# KiCad board PANEL_DRY_ELEC_6CH_THIN.kicad_pcb (continued)
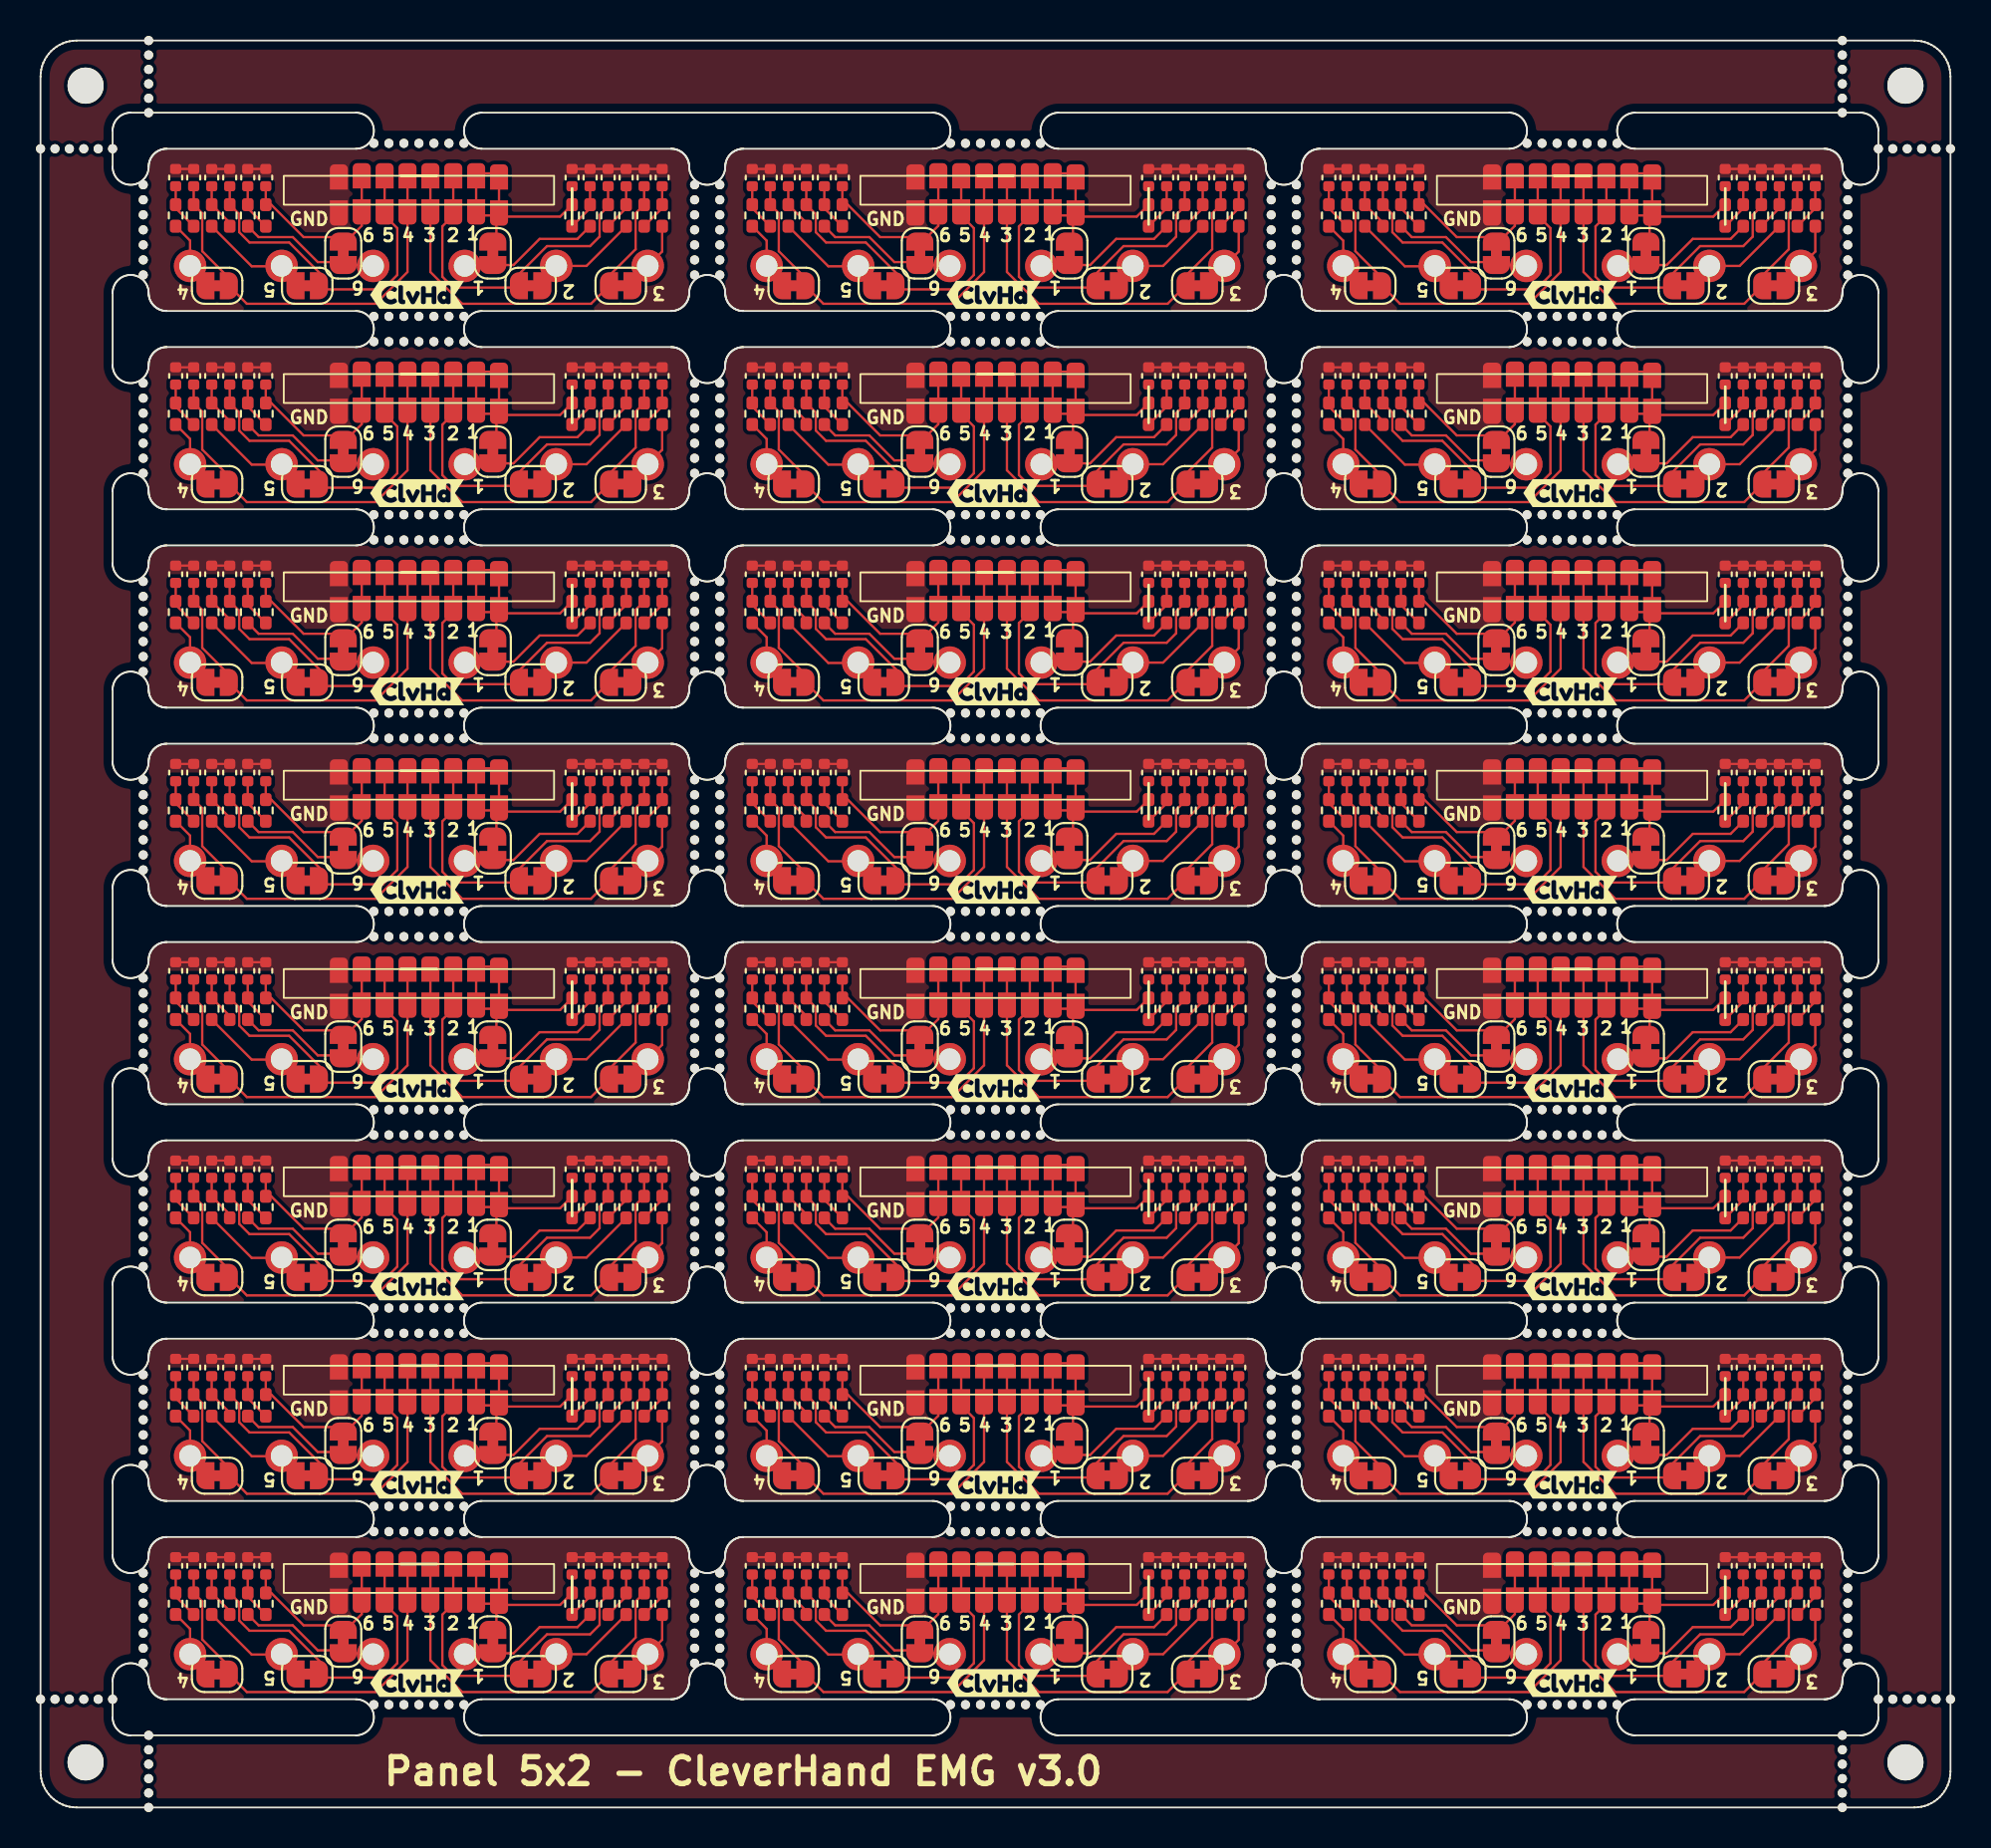
[diagram p0: board, top side]
## Placement (name value [footprint] x y rotation side) (continued)
J3#12  Conn_01x01_Pin  [SolderWirePad_1x01_SMD_1x2mm]  83.1 24.2 0 top
J3#13  Conn_01x01_Pin  [SolderWirePad_1x01_SMD_1x2mm]  51.1 68.2 0 top
J3#14  Conn_01x01_Pin  [SolderWirePad_1x01_SMD_1x2mm]  19.1 35.2 0 top
J3#15  Conn_01x01_Pin  [SolderWirePad_1x01_SMD_1x2mm]  19.1 90.2 0 top
J3#16  Conn_01x01_Pin  [SolderWirePad_1x01_SMD_1x2mm]  51.1 13.2 0 top
J3#17  Conn_01x01_Pin  [SolderWirePad_1x01_SMD_1x2mm]  83.1 57.2 0 top
J3#18  Conn_01x01_Pin  [SolderWirePad_1x01_SMD_1x2mm]  51.1 35.2 0 top
J3#19  Conn_01x01_Pin  [SolderWirePad_1x01_SMD_1x2mm]  83.1 13.2 0 top
J3#20  Conn_01x01_Pin  [SolderWirePad_1x01_SMD_1x2mm]  51.1 79.2 0 top
J3#21  Conn_01x01_Pin  [SolderWirePad_1x01_SMD_1x2mm]  83.1 46.2 0 top
J3#22  Conn_01x01_Pin  [SolderWirePad_1x01_SMD_1x2mm]  51.1 90.2 0 top
J3#23  Conn_01x01_Pin  [SolderWirePad_1x01_SMD_1x2mm]  19.1 57.2 0 top
J3#24  Conn_01x01_Pin  [SolderWirePad_1x01_SMD_1x2mm]  83.1 35.2 0 top
J4  Conn_01x01_Pin  [SolderWirePad_1x01_SMD_1x2mm]  20.37 35.2 0 top
J4#2  Conn_01x01_Pin  [SolderWirePad_1x01_SMD_1x2mm]  52.37 46.2 0 top
J4#3  Conn_01x01_Pin  [SolderWirePad_1x01_SMD_1x2mm]  52.37 35.2 0 top
J4#4  Conn_01x01_Pin  [SolderWirePad_1x01_SMD_1x2mm]  52.37 68.2 0 top
J4#5  Conn_01x01_Pin  [SolderWirePad_1x01_SMD_1x2mm]  20.37 13.2 0 top
J4#6  Conn_01x01_Pin  [SolderWirePad_1x01_SMD_1x2mm]  84.37 57.2 0 top
J4#7  Conn_01x01_Pin  [SolderWirePad_1x01_SMD_1x2mm]  20.37 57.2 0 top
J4#8  Conn_01x01_Pin  [SolderWirePad_1x01_SMD_1x2mm]  84.37 46.2 0 top
J4#9  Conn_01x01_Pin  [SolderWirePad_1x01_SMD_1x2mm]  84.37 68.2 0 top
J4#10  Conn_01x01_Pin  [SolderWirePad_1x01_SMD_1x2mm]  52.37 13.2 0 top
J4#11  Conn_01x01_Pin  [SolderWirePad_1x01_SMD_1x2mm]  20.37 24.2 0 top
J4#12  Conn_01x01_Pin  [SolderWirePad_1x01_SMD_1x2mm]  84.37 79.2 0 top
J4#13  Conn_01x01_Pin  [SolderWirePad_1x01_SMD_1x2mm]  52.37 57.2 0 top
J4#14  Conn_01x01_Pin  [SolderWirePad_1x01_SMD_1x2mm]  84.37 35.2 0 top
J4#15  Conn_01x01_Pin  [SolderWirePad_1x01_SMD_1x2mm]  84.37 13.2 0 top
J4#16  Conn_01x01_Pin  [SolderWirePad_1x01_SMD_1x2mm]  84.37 24.2 0 top
J4#17  Conn_01x01_Pin  [SolderWirePad_1x01_SMD_1x2mm]  52.37 24.2 0 top
J4#18  Conn_01x01_Pin  [SolderWirePad_1x01_SMD_1x2mm]  20.37 79.2 0 top
J4#19  Conn_01x01_Pin  [SolderWirePad_1x01_SMD_1x2mm]  52.37 90.2 0 top
J4#20  Conn_01x01_Pin  [SolderWirePad_1x01_SMD_1x2mm]  52.37 79.2 0 top
J4#21  Conn_01x01_Pin  [SolderWirePad_1x01_SMD_1x2mm]  20.37 46.2 0 top
J4#22  Conn_01x01_Pin  [SolderWirePad_1x01_SMD_1x2mm]  84.37 90.2 0 top
J4#23  Conn_01x01_Pin  [SolderWirePad_1x01_SMD_1x2mm]  20.37 68.2 0 top
J4#24  Conn_01x01_Pin  [SolderWirePad_1x01_SMD_1x2mm]  20.37 90.2 0 top
J5  Conn_01x01_Pin  [SolderWirePad_1x01_SMD_1x2mm]  53.64 13.2 0 top
J5#2  Conn_01x01_Pin  [SolderWirePad_1x01_SMD_1x2mm]  85.64 57.2 0 top
J5#3  Conn_01x01_Pin  [SolderWirePad_1x01_SMD_1x2mm]  85.64 68.2 0 top
J5#4  Conn_01x01_Pin  [SolderWirePad_1x01_SMD_1x2mm]  53.64 24.2 0 top
J5#5  Conn_01x01_Pin  [SolderWirePad_1x01_SMD_1x2mm]  53.64 57.2 0 top
J5#6  Conn_01x01_Pin  [SolderWirePad_1x01_SMD_1x2mm]  21.64 90.2 0 top
J5#7  Conn_01x01_Pin  [SolderWirePad_1x01_SMD_1x2mm]  85.64 35.2 0 top
J5#8  Conn_01x01_Pin  [SolderWirePad_1x01_SMD_1x2mm]  85.64 24.2 0 top
J5#9  Conn_01x01_Pin  [SolderWirePad_1x01_SMD_1x2mm]  21.64 46.2 0 top
J5#10  Conn_01x01_Pin  [SolderWirePad_1x01_SMD_1x2mm]  85.64 90.2 0 top
J5#11  Conn_01x01_Pin  [SolderWirePad_1x01_SMD_1x2mm]  85.64 79.2 0 top
J5#12  Conn_01x01_Pin  [SolderWirePad_1x01_SMD_1x2mm]  53.64 79.2 0 top
J5#13  Conn_01x01_Pin  [SolderWirePad_1x01_SMD_1x2mm]  53.64 35.2 0 top
J5#14  Conn_01x01_Pin  [SolderWirePad_1x01_SMD_1x2mm]  53.64 68.2 0 top
J5#15  Conn_01x01_Pin  [SolderWirePad_1x01_SMD_1x2mm]  21.64 13.2 0 top
J5#16  Conn_01x01_Pin  [SolderWirePad_1x01_SMD_1x2mm]  53.64 90.2 0 top
J5#17  Conn_01x01_Pin  [SolderWirePad_1x01_SMD_1x2mm]  85.64 13.2 0 top
J5#18  Conn_01x01_Pin  [SolderWirePad_1x01_SMD_1x2mm]  21.64 68.2 0 top
J5#19  Conn_01x01_Pin  [SolderWirePad_1x01_SMD_1x2mm]  85.64 46.2 0 top
J5#20  Conn_01x01_Pin  [SolderWirePad_1x01_SMD_1x2mm]  21.64 79.2 0 top
J5#21  Conn_01x01_Pin  [SolderWirePad_1x01_SMD_1x2mm]  21.64 24.2 0 top
J5#22  Conn_01x01_Pin  [SolderWirePad_1x01_SMD_1x2mm]  53.64 46.2 0 top
J5#23  Conn_01x01_Pin  [SolderWirePad_1x01_SMD_1x2mm]  21.64 35.2 0 top
J5#24  Conn_01x01_Pin  [SolderWirePad_1x01_SMD_1x2mm]  21.64 57.2 0 top
J6  Conn_01x01_Pin  [SolderWirePad_1x01_SMD_1x2mm]  54.91 35.2 0 top
J6#2  Conn_01x01_Pin  [SolderWirePad_1x01_SMD_1x2mm]  86.91 68.2 0 top
J6#3  Conn_01x01_Pin  [SolderWirePad_1x01_SMD_1x2mm]  54.91 24.2 0 top
J6#4  Conn_01x01_Pin  [SolderWirePad_1x01_SMD_1x2mm]  22.91 24.2 0 top
J6#5  Conn_01x01_Pin  [SolderWirePad_1x01_SMD_1x2mm]  54.91 57.2 0 top
J6#6  Conn_01x01_Pin  [SolderWirePad_1x01_SMD_1x2mm]  22.91 57.2 0 top
J6#7  Conn_01x01_Pin  [SolderWirePad_1x01_SMD_1x2mm]  22.91 68.2 0 top
J6#8  Conn_01x01_Pin  [SolderWirePad_1x01_SMD_1x2mm]  22.91 35.2 0 top
J6#9  Conn_01x01_Pin  [SolderWirePad_1x01_SMD_1x2mm]  54.91 90.2 0 top
J6#10  Conn_01x01_Pin  [SolderWirePad_1x01_SMD_1x2mm]  22.91 90.2 0 top
J6#11  Conn_01x01_Pin  [SolderWirePad_1x01_SMD_1x2mm]  54.91 46.2 0 top
J6#12  Conn_01x01_Pin  [SolderWirePad_1x01_SMD_1x2mm]  54.91 13.2 0 top
J6#13  Conn_01x01_Pin  [SolderWirePad_1x01_SMD_1x2mm]  86.91 90.2 0 top
J6#14  Conn_01x01_Pin  [SolderWirePad_1x01_SMD_1x2mm]  22.91 79.2 0 top
J6#15  Conn_01x01_Pin  [SolderWirePad_1x01_SMD_1x2mm]  22.91 13.2 0 top
J6#16  Conn_01x01_Pin  [SolderWirePad_1x01_SMD_1x2mm]  86.91 13.2 0 top
J6#17  Conn_01x01_Pin  [SolderWirePad_1x01_SMD_1x2mm]  86.91 24.2 0 top
J6#18  Conn_01x01_Pin  [SolderWirePad_1x01_SMD_1x2mm]  54.91 79.2 0 top
J6#19  Conn_01x01_Pin  [SolderWirePad_1x01_SMD_1x2mm]  22.91 46.2 0 top
J6#20  Conn_01x01_Pin  [SolderWirePad_1x01_SMD_1x2mm]  86.91 57.2 0 top
J6#21  Conn_01x01_Pin  [SolderWirePad_1x01_SMD_1x2mm]  86.91 79.2 0 top
J6#22  Conn_01x01_Pin  [SolderWirePad_1x01_SMD_1x2mm]  86.91 46.2 0 top
J6#23  Conn_01x01_Pin  [SolderWirePad_1x01_SMD_1x2mm]  86.91 35.2 0 top
J6#24  Conn_01x01_Pin  [SolderWirePad_1x01_SMD_1x2mm]  54.91 68.2 0 top
J7  Conn_01x01_Pin  [SolderWirePad_1x01_SMD_1x2mm]  88.18 13.2 0 top
J7#2  Conn_01x01_Pin  [SolderWirePad_1x01_SMD_1x2mm]  24.18 57.2 0 top
J7#3  Conn_01x01_Pin  [SolderWirePad_1x01_SMD_1x2mm]  24.18 46.2 0 top
J7#4  Conn_01x01_Pin  [SolderWirePad_1x01_SMD_1x2mm]  88.18 24.2 0 top
J7#5  Conn_01x01_Pin  [SolderWirePad_1x01_SMD_1x2mm]  88.18 68.2 0 top
J7#6  Conn_01x01_Pin  [SolderWirePad_1x01_SMD_1x2mm]  56.18 13.2 0 top
J7#7  Conn_01x01_Pin  [SolderWirePad_1x01_SMD_1x2mm]  56.18 68.2 0 top
J7#8  Conn_01x01_Pin  [SolderWirePad_1x01_SMD_1x2mm]  56.18 24.2 0 top
J7#9  Conn_01x01_Pin  [SolderWirePad_1x01_SMD_1x2mm]  24.18 13.2 0 top
J7#10  Conn_01x01_Pin  [SolderWirePad_1x01_SMD_1x2mm]  56.18 79.2 0 top
J7#11  Conn_01x01_Pin  [SolderWirePad_1x01_SMD_1x2mm]  88.18 79.2 0 top
J7#12  Conn_01x01_Pin  [SolderWirePad_1x01_SMD_1x2mm]  88.18 46.2 0 top
J7#13  Conn_01x01_Pin  [SolderWirePad_1x01_SMD_1x2mm]  56.18 57.2 0 top
J7#14  Conn_01x01_Pin  [SolderWirePad_1x01_SMD_1x2mm]  56.18 46.2 0 top
J7#15  Conn_01x01_Pin  [SolderWirePad_1x01_SMD_1x2mm]  24.18 24.2 0 top
J7#16  Conn_01x01_Pin  [SolderWirePad_1x01_SMD_1x2mm]  24.18 35.2 0 top
J7#17  Conn_01x01_Pin  [SolderWirePad_1x01_SMD_1x2mm]  56.18 90.2 0 top
J7#18  Conn_01x01_Pin  [SolderWirePad_1x01_SMD_1x2mm]  88.18 57.2 0 top
J7#19  Conn_01x01_Pin  [SolderWirePad_1x01_SMD_1x2mm]  56.18 35.2 0 top
J7#20  Conn_01x01_Pin  [SolderWirePad_1x01_SMD_1x2mm]  88.18 35.2 0 top
J7#21  Conn_01x01_Pin  [SolderWirePad_1x01_SMD_1x2mm]  24.18 79.2 0 top
J7#22  Conn_01x01_Pin  [SolderWirePad_1x01_SMD_1x2mm]  88.18 90.2 0 top
J7#23  Conn_01x01_Pin  [SolderWirePad_1x01_SMD_1x2mm]  24.18 90.2 0 top
J7#24  Conn_01x01_Pin  [SolderWirePad_1x01_SMD_1x2mm]  24.18 68.2 0 top
J8  Conn_01x01_Pin  [SolderWirePad_1x01_SMD_1x2mm]  57.45 90.14 0 top
J8#2  Conn_01x01_Pin  [SolderWirePad_1x01_SMD_1x2mm]  89.45 13.14 0 top
J8#3  Conn_01x01_Pin  [SolderWirePad_1x01_SMD_1x2mm]  57.45 24.14 0 top
J8#4  Conn_01x01_Pin  [SolderWirePad_1x01_SMD_1x2mm]  89.45 46.13 0 top
J8#5  Conn_01x01_Pin  [SolderWirePad_1x01_SMD_1x2mm]  25.45 35.13 0 top
J8#6  Conn_01x01_Pin  [SolderWirePad_1x01_SMD_1x2mm]  25.45 79.14 0 top
J8#7  Conn_01x01_Pin  [SolderWirePad_1x01_SMD_1x2mm]  57.45 79.14 0 top
J8#8  Conn_01x01_Pin  [SolderWirePad_1x01_SMD_1x2mm]  25.45 13.14 0 top
J8#9  Conn_01x01_Pin  [SolderWirePad_1x01_SMD_1x2mm]  57.45 46.13 0 top
J8#10  Conn_01x01_Pin  [SolderWirePad_1x01_SMD_1x2mm]  25.45 24.14 0 top
J8#11  Conn_01x01_Pin  [SolderWirePad_1x01_SMD_1x2mm]  57.45 57.13 0 top
J8#12  Conn_01x01_Pin  [SolderWirePad_1x01_SMD_1x2mm]  89.45 24.14 0 top
J8#13  Conn_01x01_Pin  [SolderWirePad_1x01_SMD_1x2mm]  89.45 90.14 0 top
J8#14  Conn_01x01_Pin  [SolderWirePad_1x01_SMD_1x2mm]  89.45 79.14 0 top
J8#15  Conn_01x01_Pin  [SolderWirePad_1x01_SMD_1x2mm]  25.45 46.13 0 top
J8#16  Conn_01x01_Pin  [SolderWirePad_1x01_SMD_1x2mm]  25.45 57.13 0 top
J8#17  Conn_01x01_Pin  [SolderWirePad_1x01_SMD_1x2mm]  25.45 90.14 0 top
J8#18  Conn_01x01_Pin  [SolderWirePad_1x01_SMD_1x2mm]  89.45 68.14 0 top
J8#19  Conn_01x01_Pin  [SolderWirePad_1x01_SMD_1x2mm]  89.45 57.13 0 top
J8#20  Conn_01x01_Pin  [SolderWirePad_1x01_SMD_1x2mm]  25.45 68.14 0 top
J8#21  Conn_01x01_Pin  [SolderWirePad_1x01_SMD_1x2mm]  57.45 13.14 0 top
J8#22  Conn_01x01_Pin  [SolderWirePad_1x01_SMD_1x2mm]  57.45 68.14 0 top
J8#23  Conn_01x01_Pin  [SolderWirePad_1x01_SMD_1x2mm]  57.45 35.13 0 top
J8#24  Conn_01x01_Pin  [SolderWirePad_1x01_SMD_1x2mm]  89.45 35.13 0 top
J9  Conn_01x01_Pin  [SolderWirePad_1x01_SMD_1x2mm]  16.56 55.73 180 top
J9#2  Conn_01x01_Pin  [SolderWirePad_1x01_SMD_1x2mm]  48.56 44.73 180 top
J9#3  Conn_01x01_Pin  [SolderWirePad_1x01_SMD_1x2mm]  48.56 66.73 180 top
J9#4  Conn_01x01_Pin  [SolderWirePad_1x01_SMD_1x2mm]  80.56 33.73 180 top
J9#5  Conn_01x01_Pin  [SolderWirePad_1x01_SMD_1x2mm]  80.56 22.73 180 top
J9#6  Conn_01x01_Pin  [SolderWirePad_1x01_SMD_1x2mm]  80.56 44.73 180 top
J9#7  Conn_01x01_Pin  [SolderWirePad_1x01_SMD_1x2mm]  80.56 88.73 180 top
J9#8  Conn_01x01_Pin  [SolderWirePad_1x01_SMD_1x2mm]  16.56 22.73 180 top
J9#9  Conn_01x01_Pin  [SolderWirePad_1x01_SMD_1x2mm]  48.56 33.73 180 top
J9#10  Conn_01x01_Pin  [SolderWirePad_1x01_SMD_1x2mm]  16.56 33.73 180 top
J9#11  Conn_01x01_Pin  [SolderWirePad_1x01_SMD_1x2mm]  80.56 66.73 180 top
J9#12  Conn_01x01_Pin  [SolderWirePad_1x01_SMD_1x2mm]  16.56 66.73 180 top
J9#13  Conn_01x01_Pin  [SolderWirePad_1x01_SMD_1x2mm]  48.56 88.73 180 top
J9#14  Conn_01x01_Pin  [SolderWirePad_1x01_SMD_1x2mm]  48.56 77.73 180 top
J9#15  Conn_01x01_Pin  [SolderWirePad_1x01_SMD_1x2mm]  48.56 22.73 180 top
J9#16  Conn_01x01_Pin  [SolderWirePad_1x01_SMD_1x2mm]  16.56 44.73 180 top
J9#17  Conn_01x01_Pin  [SolderWirePad_1x01_SMD_1x2mm]  16.56 77.73 180 top
J9#18  Conn_01x01_Pin  [SolderWirePad_1x01_SMD_1x2mm]  48.56 11.73 180 top
J9#19  Conn_01x01_Pin  [SolderWirePad_1x01_SMD_1x2mm]  80.56 77.73 180 top
J9#20  Conn_01x01_Pin  [SolderWirePad_1x01_SMD_1x2mm]  48.56 55.73 180 top
J9#21  Conn_01x01_Pin  [SolderWirePad_1x01_SMD_1x2mm]  16.56 11.73 180 top
J9#22  Conn_01x01_Pin  [SolderWirePad_1x01_SMD_1x2mm]  80.56 55.73 180 top
J9#23  Conn_01x01_Pin  [SolderWirePad_1x01_SMD_1x2mm]  80.56 11.73 180 top
J9#24  Conn_01x01_Pin  [SolderWirePad_1x01_SMD_1x2mm]  16.56 88.73 180 top
J10  Conn_01x01_Pin  [SolderWirePad_1x01_SMD_1x2mm]  81.83 22.8 180 top
J10#2  Conn_01x01_Pin  [SolderWirePad_1x01_SMD_1x2mm]  17.83 22.8 180 top
J10#3  Conn_01x01_Pin  [SolderWirePad_1x01_SMD_1x2mm]  81.83 44.8 180 top
J10#4  Conn_01x01_Pin  [SolderWirePad_1x01_SMD_1x2mm]  81.83 66.8 180 top
J10#5  Conn_01x01_Pin  [SolderWirePad_1x01_SMD_1x2mm]  17.83 88.8 180 top
J10#6  Conn_01x01_Pin  [SolderWirePad_1x01_SMD_1x2mm]  49.83 66.8 180 top
J10#7  Conn_01x01_Pin  [SolderWirePad_1x01_SMD_1x2mm]  17.83 66.8 180 top
J10#8  Conn_01x01_Pin  [SolderWirePad_1x01_SMD_1x2mm]  81.83 11.8 180 top
J10#9  Conn_01x01_Pin  [SolderWirePad_1x01_SMD_1x2mm]  49.83 77.8 180 top
J10#10  Conn_01x01_Pin  [SolderWirePad_1x01_SMD_1x2mm]  81.83 77.8 180 top
J10#11  Conn_01x01_Pin  [SolderWirePad_1x01_SMD_1x2mm]  49.83 22.8 180 top
J10#12  Conn_01x01_Pin  [SolderWirePad_1x01_SMD_1x2mm]  17.83 11.8 180 top
J10#13  Conn_01x01_Pin  [SolderWirePad_1x01_SMD_1x2mm]  81.83 88.8 180 top
J10#14  Conn_01x01_Pin  [SolderWirePad_1x01_SMD_1x2mm]  49.83 44.8 180 top
J10#15  Conn_01x01_Pin  [SolderWirePad_1x01_SMD_1x2mm]  49.83 11.8 180 top
J10#16  Conn_01x01_Pin  [SolderWirePad_1x01_SMD_1x2mm]  17.83 33.8 180 top
J10#17  Conn_01x01_Pin  [SolderWirePad_1x01_SMD_1x2mm]  81.83 55.8 180 top
J10#18  Conn_01x01_Pin  [SolderWirePad_1x01_SMD_1x2mm]  17.83 55.8 180 top
J10#19  Conn_01x01_Pin  [SolderWirePad_1x01_SMD_1x2mm]  49.83 55.8 180 top
J10#20  Conn_01x01_Pin  [SolderWirePad_1x01_SMD_1x2mm]  81.83 33.8 180 top
J10#21  Conn_01x01_Pin  [SolderWirePad_1x01_SMD_1x2mm]  17.83 77.8 180 top
J10#22  Conn_01x01_Pin  [SolderWirePad_1x01_SMD_1x2mm]  49.83 33.8 180 top
J10#23  Conn_01x01_Pin  [SolderWirePad_1x01_SMD_1x2mm]  49.83 88.8 180 top
J10#24  Conn_01x01_Pin  [SolderWirePad_1x01_SMD_1x2mm]  17.83 44.8 180 top
J11  Conn_01x01_Pin  [SolderWirePad_1x01_SMD_1x2mm]  83.1 77.8 180 top
J11#2  Conn_01x01_Pin  [SolderWirePad_1x01_SMD_1x2mm]  83.1 11.8 180 top
J11#3  Conn_01x01_Pin  [SolderWirePad_1x01_SMD_1x2mm]  83.1 33.8 180 top
J11#4  Conn_01x01_Pin  [SolderWirePad_1x01_SMD_1x2mm]  19.1 88.8 180 top
J11#5  Conn_01x01_Pin  [SolderWirePad_1x01_SMD_1x2mm]  51.1 11.8 180 top
J11#6  Conn_01x01_Pin  [SolderWirePad_1x01_SMD_1x2mm]  83.1 22.8 180 top
J11#7  Conn_01x01_Pin  [SolderWirePad_1x01_SMD_1x2mm]  19.1 77.8 180 top
J11#8  Conn_01x01_Pin  [SolderWirePad_1x01_SMD_1x2mm]  19.1 55.8 180 top
J11#9  Conn_01x01_Pin  [SolderWirePad_1x01_SMD_1x2mm]  51.1 44.8 180 top
J11#10  Conn_01x01_Pin  [SolderWirePad_1x01_SMD_1x2mm]  83.1 88.8 180 top
J11#11  Conn_01x01_Pin  [SolderWirePad_1x01_SMD_1x2mm]  83.1 66.8 180 top
J11#12  Conn_01x01_Pin  [SolderWirePad_1x01_SMD_1x2mm]  19.1 44.8 180 top
J11#13  Conn_01x01_Pin  [SolderWirePad_1x01_SMD_1x2mm]  19.1 22.8 180 top
J11#14  Conn_01x01_Pin  [SolderWirePad_1x01_SMD_1x2mm]  51.1 55.8 180 top
J11#15  Conn_01x01_Pin  [SolderWirePad_1x01_SMD_1x2mm]  51.1 88.8 180 top
J11#16  Conn_01x01_Pin  [SolderWirePad_1x01_SMD_1x2mm]  51.1 22.8 180 top
J11#17  Conn_01x01_Pin  [SolderWirePad_1x01_SMD_1x2mm]  51.1 77.8 180 top
J11#18  Conn_01x01_Pin  [SolderWirePad_1x01_SMD_1x2mm]  51.1 33.8 180 top
J11#19  Conn_01x01_Pin  [SolderWirePad_1x01_SMD_1x2mm]  51.1 66.8 180 top
J11#20  Conn_01x01_Pin  [SolderWirePad_1x01_SMD_1x2mm]  19.1 33.8 180 top
J11#21  Conn_01x01_Pin  [SolderWirePad_1x01_SMD_1x2mm]  19.1 66.8 180 top
J11#22  Conn_01x01_Pin  [SolderWirePad_1x01_SMD_1x2mm]  19.1 11.8 180 top
J11#23  Conn_01x01_Pin  [SolderWirePad_1x01_SMD_1x2mm]  83.1 55.8 180 top
J11#24  Conn_01x01_Pin  [SolderWirePad_1x01_SMD_1x2mm]  83.1 44.8 180 top
J12  Conn_01x01_Pin  [SolderWirePad_1x01_SMD_1x2mm]  20.37 77.8 180 top
J12#2  Conn_01x01_Pin  [SolderWirePad_1x01_SMD_1x2mm]  84.37 44.8 180 top
J12#3  Conn_01x01_Pin  [SolderWirePad_1x01_SMD_1x2mm]  20.37 55.8 180 top
J12#4  Conn_01x01_Pin  [SolderWirePad_1x01_SMD_1x2mm]  84.37 22.8 180 top
J12#5  Conn_01x01_Pin  [SolderWirePad_1x01_SMD_1x2mm]  52.37 88.8 180 top
J12#6  Conn_01x01_Pin  [SolderWirePad_1x01_SMD_1x2mm]  52.37 22.8 180 top
J12#7  Conn_01x01_Pin  [SolderWirePad_1x01_SMD_1x2mm]  20.37 44.8 180 top
J12#8  Conn_01x01_Pin  [SolderWirePad_1x01_SMD_1x2mm]  20.37 33.8 180 top
J12#9  Conn_01x01_Pin  [SolderWirePad_1x01_SMD_1x2mm]  52.37 66.8 180 top
J12#10  Conn_01x01_Pin  [SolderWirePad_1x01_SMD_1x2mm]  84.37 66.8 180 top
J12#11  Conn_01x01_Pin  [SolderWirePad_1x01_SMD_1x2mm]  52.37 44.8 180 top
J12#12  Conn_01x01_Pin  [SolderWirePad_1x01_SMD_1x2mm]  52.37 55.8 180 top
J12#13  Conn_01x01_Pin  [SolderWirePad_1x01_SMD_1x2mm]  20.37 66.8 180 top
J12#14  Conn_01x01_Pin  [SolderWirePad_1x01_SMD_1x2mm]  84.37 55.8 180 top
J12#15  Conn_01x01_Pin  [SolderWirePad_1x01_SMD_1x2mm]  20.37 11.8 180 top
J12#16  Conn_01x01_Pin  [SolderWirePad_1x01_SMD_1x2mm]  84.37 88.8 180 top
J12#17  Conn_01x01_Pin  [SolderWirePad_1x01_SMD_1x2mm]  20.37 88.8 180 top
J12#18  Conn_01x01_Pin  [SolderWirePad_1x01_SMD_1x2mm]  20.37 22.8 180 top
J12#19  Conn_01x01_Pin  [SolderWirePad_1x01_SMD_1x2mm]  52.37 33.8 180 top
J12#20  Conn_01x01_Pin  [SolderWirePad_1x01_SMD_1x2mm]  52.37 11.8 180 top
J12#21  Conn_01x01_Pin  [SolderWirePad_1x01_SMD_1x2mm]  52.37 77.8 180 top
J12#22  Conn_01x01_Pin  [SolderWirePad_1x01_SMD_1x2mm]  84.37 11.8 180 top
J12#23  Conn_01x01_Pin  [SolderWirePad_1x01_SMD_1x2mm]  84.37 77.8 180 top
J12#24  Conn_01x01_Pin  [SolderWirePad_1x01_SMD_1x2mm]  84.37 33.8 180 top
J13  Conn_01x01_Pin  [SolderWirePad_1x01_SMD_1x2mm]  21.64 33.8 180 top
J13#2  Conn_01x01_Pin  [SolderWirePad_1x01_SMD_1x2mm]  85.64 11.8 180 top
J13#3  Conn_01x01_Pin  [SolderWirePad_1x01_SMD_1x2mm]  53.64 66.8 180 top
J13#4  Conn_01x01_Pin  [SolderWirePad_1x01_SMD_1x2mm]  85.64 44.8 180 top
J13#5  Conn_01x01_Pin  [SolderWirePad_1x01_SMD_1x2mm]  21.64 55.8 180 top
J13#6  Conn_01x01_Pin  [SolderWirePad_1x01_SMD_1x2mm]  21.64 66.8 180 top
J13#7  Conn_01x01_Pin  [SolderWirePad_1x01_SMD_1x2mm]  53.64 77.8 180 top
J13#8  Conn_01x01_Pin  [SolderWirePad_1x01_SMD_1x2mm]  53.64 33.8 180 top
J13#9  Conn_01x01_Pin  [SolderWirePad_1x01_SMD_1x2mm]  53.64 22.8 180 top
J13#10  Conn_01x01_Pin  [SolderWirePad_1x01_SMD_1x2mm]  85.64 55.8 180 top
J13#11  Conn_01x01_Pin  [SolderWirePad_1x01_SMD_1x2mm]  21.64 44.8 180 top
J13#12  Conn_01x01_Pin  [SolderWirePad_1x01_SMD_1x2mm]  85.64 88.8 180 top
J13#13  Conn_01x01_Pin  [SolderWirePad_1x01_SMD_1x2mm]  85.64 22.8 180 top
J13#14  Conn_01x01_Pin  [SolderWirePad_1x01_SMD_1x2mm]  85.64 33.8 180 top
J13#15  Conn_01x01_Pin  [SolderWirePad_1x01_SMD_1x2mm]  21.64 22.8 180 top
J13#16  Conn_01x01_Pin  [SolderWirePad_1x01_SMD_1x2mm]  53.64 88.8 180 top
J13#17  Conn_01x01_Pin  [SolderWirePad_1x01_SMD_1x2mm]  21.64 88.8 180 top
J13#18  Conn_01x01_Pin  [SolderWirePad_1x01_SMD_1x2mm]  85.64 77.8 180 top
J13#19  Conn_01x01_Pin  [SolderWirePad_1x01_SMD_1x2mm]  21.64 11.8 180 top
J13#20  Conn_01x01_Pin  [SolderWirePad_1x01_SMD_1x2mm]  53.64 11.8 180 top
J13#21  Conn_01x01_Pin  [SolderWirePad_1x01_SMD_1x2mm]  53.64 55.8 180 top
J13#22  Conn_01x01_Pin  [SolderWirePad_1x01_SMD_1x2mm]  85.64 66.8 180 top
J13#23  Conn_01x01_Pin  [SolderWirePad_1x01_SMD_1x2mm]  53.64 44.8 180 top
J13#24  Conn_01x01_Pin  [SolderWirePad_1x01_SMD_1x2mm]  21.64 77.8 180 top
J14  Conn_01x01_Pin  [SolderWirePad_1x01_SMD_1x2mm]  86.91 33.8 180 top
J14#2  Conn_01x01_Pin  [SolderWirePad_1x01_SMD_1x2mm]  86.91 77.8 180 top
J14#3  Conn_01x01_Pin  [SolderWirePad_1x01_SMD_1x2mm]  86.91 66.8 180 top
J14#4  Conn_01x01_Pin  [SolderWirePad_1x01_SMD_1x2mm]  22.91 88.8 180 top
J14#5  Conn_01x01_Pin  [SolderWirePad_1x01_SMD_1x2mm]  22.91 66.8 180 top
J14#6  Conn_01x01_Pin  [SolderWirePad_1x01_SMD_1x2mm]  54.91 55.8 180 top
J14#7  Conn_01x01_Pin  [SolderWirePad_1x01_SMD_1x2mm]  22.91 33.8 180 top
J14#8  Conn_01x01_Pin  [SolderWirePad_1x01_SMD_1x2mm]  22.91 11.8 180 top
J14#9  Conn_01x01_Pin  [SolderWirePad_1x01_SMD_1x2mm]  86.91 22.8 180 top
J14#10  Conn_01x01_Pin  [SolderWirePad_1x01_SMD_1x2mm]  54.91 66.8 180 top
J14#11  Conn_01x01_Pin  [SolderWirePad_1x01_SMD_1x2mm]  54.91 77.8 180 top
J14#12  Conn_01x01_Pin  [SolderWirePad_1x01_SMD_1x2mm]  54.91 88.8 180 top
J14#13  Conn_01x01_Pin  [SolderWirePad_1x01_SMD_1x2mm]  22.91 77.8 180 top
J14#14  Conn_01x01_Pin  [SolderWirePad_1x01_SMD_1x2mm]  22.91 44.8 180 top
J14#15  Conn_01x01_Pin  [SolderWirePad_1x01_SMD_1x2mm]  54.91 22.8 180 top
J14#16  Conn_01x01_Pin  [SolderWirePad_1x01_SMD_1x2mm]  54.91 11.8 180 top
J14#17  Conn_01x01_Pin  [SolderWirePad_1x01_SMD_1x2mm]  86.91 88.8 180 top
J14#18  Conn_01x01_Pin  [SolderWirePad_1x01_SMD_1x2mm]  86.91 44.8 180 top
J14#19  Conn_01x01_Pin  [SolderWirePad_1x01_SMD_1x2mm]  86.91 55.8 180 top
J14#20  Conn_01x01_Pin  [SolderWirePad_1x01_SMD_1x2mm]  22.91 55.8 180 top
J14#21  Conn_01x01_Pin  [SolderWirePad_1x01_SMD_1x2mm]  54.91 33.8 180 top
J14#22  Conn_01x01_Pin  [SolderWirePad_1x01_SMD_1x2mm]  54.91 44.8 180 top
J14#23  Conn_01x01_Pin  [SolderWirePad_1x01_SMD_1x2mm]  86.91 11.8 180 top
J14#24  Conn_01x01_Pin  [SolderWirePad_1x01_SMD_1x2mm]  22.91 22.8 180 top
J15  Conn_01x01_Pin  [SolderWirePad_1x01_SMD_1x2mm]  56.18 66.8 180 top
J15#2  Conn_01x01_Pin  [SolderWirePad_1x01_SMD_1x2mm]  88.18 66.8 180 top
J15#3  Conn_01x01_Pin  [SolderWirePad_1x01_SMD_1x2mm]  88.18 22.8 180 top
J15#4  Conn_01x01_Pin  [SolderWirePad_1x01_SMD_1x2mm]  56.18 44.8 180 top
J15#5  Conn_01x01_Pin  [SolderWirePad_1x01_SMD_1x2mm]  88.18 11.8 180 top
J15#6  Conn_01x01_Pin  [SolderWirePad_1x01_SMD_1x2mm]  88.18 44.8 180 top
J15#7  Conn_01x01_Pin  [SolderWirePad_1x01_SMD_1x2mm]  56.18 11.8 180 top
J15#8  Conn_01x01_Pin  [SolderWirePad_1x01_SMD_1x2mm]  24.18 33.8 180 top
J15#9  Conn_01x01_Pin  [SolderWirePad_1x01_SMD_1x2mm]  24.18 55.8 180 top
J15#10  Conn_01x01_Pin  [SolderWirePad_1x01_SMD_1x2mm]  56.18 88.8 180 top
J15#11  Conn_01x01_Pin  [SolderWirePad_1x01_SMD_1x2mm]  88.18 77.8 180 top
J15#12  Conn_01x01_Pin  [SolderWirePad_1x01_SMD_1x2mm]  24.18 22.8 180 top
J15#13  Conn_01x01_Pin  [SolderWirePad_1x01_SMD_1x2mm]  56.18 22.8 180 top
J15#14  Conn_01x01_Pin  [SolderWirePad_1x01_SMD_1x2mm]  88.18 33.8 180 top
J15#15  Conn_01x01_Pin  [SolderWirePad_1x01_SMD_1x2mm]  88.18 88.8 180 top
J15#16  Conn_01x01_Pin  [SolderWirePad_1x01_SMD_1x2mm]  24.18 77.8 180 top
J15#17  Conn_01x01_Pin  [SolderWirePad_1x01_SMD_1x2mm]  24.18 11.8 180 top
J15#18  Conn_01x01_Pin  [SolderWirePad_1x01_SMD_1x2mm]  24.18 66.8 180 top
J15#19  Conn_01x01_Pin  [SolderWirePad_1x01_SMD_1x2mm]  56.18 55.8 180 top
J15#20  Conn_01x01_Pin  [SolderWirePad_1x01_SMD_1x2mm]  88.18 55.8 180 top
J15#21  Conn_01x01_Pin  [SolderWirePad_1x01_SMD_1x2mm]  56.18 33.8 180 top
J15#22  Conn_01x01_Pin  [SolderWirePad_1x01_SMD_1x2mm]  24.18 44.8 180 top
J15#23  Conn_01x01_Pin  [SolderWirePad_1x01_SMD_1x2mm]  24.18 88.8 180 top
J15#24  Conn_01x01_Pin  [SolderWirePad_1x01_SMD_1x2mm]  56.18 77.8 180 top
J16  Conn_01x01_Pin  [SolderWirePad_1x01_SMD_1x2mm]  25.45 44.73 180 top
J16#2  Conn_01x01_Pin  [SolderWirePad_1x01_SMD_1x2mm]  89.45 55.73 180 top
J16#3  Conn_01x01_Pin  [SolderWirePad_1x01_SMD_1x2mm]  89.45 66.73 180 top
J16#4  Conn_01x01_Pin  [SolderWirePad_1x01_SMD_1x2mm]  25.45 77.73 180 top
J16#5  Conn_01x01_Pin  [SolderWirePad_1x01_SMD_1x2mm]  25.45 22.73 180 top
J16#6  Conn_01x01_Pin  [SolderWirePad_1x01_SMD_1x2mm]  57.45 11.73 180 top
J16#7  Conn_01x01_Pin  [SolderWirePad_1x01_SMD_1x2mm]  25.45 88.73 180 top
J16#8  Conn_01x01_Pin  [SolderWirePad_1x01_SMD_1x2mm]  89.45 22.73 180 top
J16#9  Conn_01x01_Pin  [SolderWirePad_1x01_SMD_1x2mm]  89.45 11.73 180 top
J16#10  Conn_01x01_Pin  [SolderWirePad_1x01_SMD_1x2mm]  25.45 55.73 180 top
J16#11  Conn_01x01_Pin  [SolderWirePad_1x01_SMD_1x2mm]  57.45 22.73 180 top
J16#12  Conn_01x01_Pin  [SolderWirePad_1x01_SMD_1x2mm]  57.45 44.73 180 top
J16#13  Conn_01x01_Pin  [SolderWirePad_1x01_SMD_1x2mm]  25.45 33.73 180 top
J16#14  Conn_01x01_Pin  [SolderWirePad_1x01_SMD_1x2mm]  25.45 66.73 180 top
J16#15  Conn_01x01_Pin  [SolderWirePad_1x01_SMD_1x2mm]  25.45 11.73 180 top
J16#16  Conn_01x01_Pin  [SolderWirePad_1x01_SMD_1x2mm]  57.45 66.73 180 top
J16#17  Conn_01x01_Pin  [SolderWirePad_1x01_SMD_1x2mm]  89.45 88.73 180 top
J16#18  Conn_01x01_Pin  [SolderWirePad_1x01_SMD_1x2mm]  57.45 55.73 180 top
J16#19  Conn_01x01_Pin  [SolderWirePad_1x01_SMD_1x2mm]  89.45 44.73 180 top
J16#20  Conn_01x01_Pin  [SolderWirePad_1x01_SMD_1x2mm]  89.45 77.73 180 top
J16#21  Conn_01x01_Pin  [SolderWirePad_1x01_SMD_1x2mm]  89.45 33.73 180 top
J16#22  Conn_01x01_Pin  [SolderWirePad_1x01_SMD_1x2mm]  57.45 77.73 180 top
J16#23  Conn_01x01_Pin  [SolderWirePad_1x01_SMD_1x2mm]  57.45 88.73 180 top
J16#24  Conn_01x01_Pin  [SolderWirePad_1x01_SMD_1x2mm]  57.45 33.73 180 top
J17  Conn_01x01_Pin  [Pin_D1.2mm_pogo]  23.54 30.5 0 top
J17#2  Conn_01x01_Pin  [Pin_D1.2mm_pogo]  87.54 63.5 0 top
J17#3  Conn_01x01_Pin  [Pin_D1.2mm_pogo]  55.54 63.5 0 top
J17#4  Conn_01x01_Pin  [Pin_D1.2mm_pogo]  23.54 52.5 0 top
J17#5  Conn_01x01_Pin  [Pin_D1.2mm_pogo]  55.54 74.5 0 top
J17#6  Conn_01x01_Pin  [Pin_D1.2mm_pogo]  23.54 63.5 0 top
J17#7  Conn_01x01_Pin  [Pin_D1.2mm_pogo]  55.54 52.5 0 top
J17#8  Conn_01x01_Pin  [Pin_D1.2mm_pogo]  87.54 8.5 0 top
J17#9  Conn_01x01_Pin  [Pin_D1.2mm_pogo]  55.54 19.5 0 top
J17#10  Conn_01x01_Pin  [Pin_D1.2mm_pogo]  87.54 52.5 0 top
J17#11  Conn_01x01_Pin  [Pin_D1.2mm_pogo]  55.54 85.5 0 top
J17#12  Conn_01x01_Pin  [Pin_D1.2mm_pogo]  87.54 41.5 0 top
J17#13  Conn_01x01_Pin  [Pin_D1.2mm_pogo]  55.54 8.5 0 top
J17#14  Conn_01x01_Pin  [Pin_D1.2mm_pogo]  87.54 19.5 0 top
J17#15  Conn_01x01_Pin  [Pin_D1.2mm_pogo]  23.54 85.5 0 top
J17#16  Conn_01x01_Pin  [Pin_D1.2mm_pogo]  23.54 41.5 0 top
J17#17  Conn_01x01_Pin  [Pin_D1.2mm_pogo]  87.54 74.5 0 top
J17#18  Conn_01x01_Pin  [Pin_D1.2mm_pogo]  87.54 85.5 0 top
J17#19  Conn_01x01_Pin  [Pin_D1.2mm_pogo]  23.54 74.5 0 top
J17#20  Conn_01x01_Pin  [Pin_D1.2mm_pogo]  55.54 41.5 0 top
J17#21  Conn_01x01_Pin  [Pin_D1.2mm_pogo]  23.54 8.5 0 top
J17#22  Conn_01x01_Pin  [Pin_D1.2mm_pogo]  23.54 19.5 0 top
J17#23  Conn_01x01_Pin  [Pin_D1.2mm_pogo]  55.54 30.5 0 top
J17#24  Conn_01x01_Pin  [Pin_D1.2mm_pogo]  87.54 30.5 0 top
J18  Conn_01x01_Pin  [Pin_D1.2mm_pogo]  28.62 8.5 0 top
J18#2  Conn_01x01_Pin  [Pin_D1.2mm_pogo]  92.62 19.5 0 top
J18#3  Conn_01x01_Pin  [Pin_D1.2mm_pogo]  28.62 52.5 0 top
J18#4  Conn_01x01_Pin  [Pin_D1.2mm_pogo]  60.62 74.5 0 top
J18#5  Conn_01x01_Pin  [Pin_D1.2mm_pogo]  60.62 8.5 0 top
J18#6  Conn_01x01_Pin  [Pin_D1.2mm_pogo]  28.62 74.5 0 top
J18#7  Conn_01x01_Pin  [Pin_D1.2mm_pogo]  92.62 30.5 0 top
J18#8  Conn_01x01_Pin  [Pin_D1.2mm_pogo]  92.62 8.5 0 top
J18#9  Conn_01x01_Pin  [Pin_D1.2mm_pogo]  60.62 63.5 0 top
J18#10  Conn_01x01_Pin  [Pin_D1.2mm_pogo]  60.62 85.5 0 top
J18#11  Conn_01x01_Pin  [Pin_D1.2mm_pogo]  60.62 30.5 0 top
J18#12  Conn_01x01_Pin  [Pin_D1.2mm_pogo]  92.62 63.5 0 top
J18#13  Conn_01x01_Pin  [Pin_D1.2mm_pogo]  92.62 85.5 0 top
J18#14  Conn_01x01_Pin  [Pin_D1.2mm_pogo]  28.62 63.5 0 top
J18#15  Conn_01x01_Pin  [Pin_D1.2mm_pogo]  92.62 41.5 0 top
J18#16  Conn_01x01_Pin  [Pin_D1.2mm_pogo]  28.62 30.5 0 top
J18#17  Conn_01x01_Pin  [Pin_D1.2mm_pogo]  60.62 52.5 0 top
J18#18  Conn_01x01_Pin  [Pin_D1.2mm_pogo]  28.62 85.5 0 top
J18#19  Conn_01x01_Pin  [Pin_D1.2mm_pogo]  92.62 74.5 0 top
J18#20  Conn_01x01_Pin  [Pin_D1.2mm_pogo]  60.62 41.5 0 top
J18#21  Conn_01x01_Pin  [Pin_D1.2mm_pogo]  60.62 19.5 0 top
J18#22  Conn_01x01_Pin  [Pin_D1.2mm_pogo]  92.62 52.5 0 top
J18#23  Conn_01x01_Pin  [Pin_D1.2mm_pogo]  28.62 41.5 0 top
J18#24  Conn_01x01_Pin  [Pin_D1.2mm_pogo]  28.62 19.5 0 top
J19  Conn_01x01_Pin  [Pin_D1.2mm_pogo]  97.7 30.5 0 top
J19#2  Conn_01x01_Pin  [Pin_D1.2mm_pogo]  97.7 41.5 0 top
J19#3  Conn_01x01_Pin  [Pin_D1.2mm_pogo]  33.7 41.5 0 top
J19#4  Conn_01x01_Pin  [Pin_D1.2mm_pogo]  33.7 52.5 0 top
J19#5  Conn_01x01_Pin  [Pin_D1.2mm_pogo]  33.7 8.5 0 top
J19#6  Conn_01x01_Pin  [Pin_D1.2mm_pogo]  65.7 19.5 0 top
J19#7  Conn_01x01_Pin  [Pin_D1.2mm_pogo]  65.7 74.5 0 top
J19#8  Conn_01x01_Pin  [Pin_D1.2mm_pogo]  65.7 8.5 0 top
J19#9  Conn_01x01_Pin  [Pin_D1.2mm_pogo]  65.7 30.5 0 top
J19#10  Conn_01x01_Pin  [Pin_D1.2mm_pogo]  97.7 74.5 0 top
J19#11  Conn_01x01_Pin  [Pin_D1.2mm_pogo]  97.7 63.5 0 top
J19#12  Conn_01x01_Pin  [Pin_D1.2mm_pogo]  33.7 63.5 0 top
J19#13  Conn_01x01_Pin  [Pin_D1.2mm_pogo]  97.7 8.5 0 top
J19#14  Conn_01x01_Pin  [Pin_D1.2mm_pogo]  65.7 85.5 0 top
J19#15  Conn_01x01_Pin  [Pin_D1.2mm_pogo]  65.7 63.5 0 top
J19#16  Conn_01x01_Pin  [Pin_D1.2mm_pogo]  97.7 19.5 0 top
J19#17  Conn_01x01_Pin  [Pin_D1.2mm_pogo]  65.7 41.5 0 top
J19#18  Conn_01x01_Pin  [Pin_D1.2mm_pogo]  97.7 85.5 0 top
J19#19  Conn_01x01_Pin  [Pin_D1.2mm_pogo]  33.7 74.5 0 top
J19#20  Conn_01x01_Pin  [Pin_D1.2mm_pogo]  33.7 30.5 0 top
J19#21  Conn_01x01_Pin  [Pin_D1.2mm_pogo]  65.7 52.5 0 top
J19#22  Conn_01x01_Pin  [Pin_D1.2mm_pogo]  97.7 52.5 0 top
J19#23  Conn_01x01_Pin  [Pin_D1.2mm_pogo]  33.7 85.5 0 top
J19#24  Conn_01x01_Pin  [Pin_D1.2mm_pogo]  33.7 19.5 0 top
J20  Conn_01x01_Pin  [Pin_D1.2mm_pogo]  8.3 74.5 0 top
J20#2  Conn_01x01_Pin  [Pin_D1.2mm_pogo]  72.3 63.5 0 top
J20#3  Conn_01x01_Pin  [Pin_D1.2mm_pogo]  8.3 63.5 0 top
J20#4  Conn_01x01_Pin  [Pin_D1.2mm_pogo]  40.3 63.5 0 top
J20#5  Conn_01x01_Pin  [Pin_D1.2mm_pogo]  72.3 30.5 0 top
J20#6  Conn_01x01_Pin  [Pin_D1.2mm_pogo]  40.3 30.5 0 top
J20#7  Conn_01x01_Pin  [Pin_D1.2mm_pogo]  8.3 30.5 0 top
J20#8  Conn_01x01_Pin  [Pin_D1.2mm_pogo]  8.3 41.5 0 top
J20#9  Conn_01x01_Pin  [Pin_D1.2mm_pogo]  40.3 52.5 0 top
J20#10  Conn_01x01_Pin  [Pin_D1.2mm_pogo]  72.3 52.5 0 top
J20#11  Conn_01x01_Pin  [Pin_D1.2mm_pogo]  72.3 85.5 0 top
J20#12  Conn_01x01_Pin  [Pin_D1.2mm_pogo]  72.3 41.5 0 top
J20#13  Conn_01x01_Pin  [Pin_D1.2mm_pogo]  40.3 85.5 0 top
J20#14  Conn_01x01_Pin  [Pin_D1.2mm_pogo]  72.3 74.5 0 top
J20#15  Conn_01x01_Pin  [Pin_D1.2mm_pogo]  8.3 19.5 0 top
J20#16  Conn_01x01_Pin  [Pin_D1.2mm_pogo]  8.3 52.5 0 top
J20#17  Conn_01x01_Pin  [Pin_D1.2mm_pogo]  40.3 8.5 0 top
J20#18  Conn_01x01_Pin  [Pin_D1.2mm_pogo]  8.3 8.5 0 top
J20#19  Conn_01x01_Pin  [Pin_D1.2mm_pogo]  40.3 74.5 0 top
J20#20  Conn_01x01_Pin  [Pin_D1.2mm_pogo]  72.3 19.5 0 top
J20#21  Conn_01x01_Pin  [Pin_D1.2mm_pogo]  72.3 8.5 0 top
J20#22  Conn_01x01_Pin  [Pin_D1.2mm_pogo]  40.3 19.5 0 top
J20#23  Conn_01x01_Pin  [Pin_D1.2mm_pogo]  8.3 85.5 0 top
J20#24  Conn_01x01_Pin  [Pin_D1.2mm_pogo]  40.3 41.5 0 top
J21  Conn_01x01_Pin  [Pin_D1.2mm_pogo]  13.38 41.5 0 top
J21#2  Conn_01x01_Pin  [Pin_D1.2mm_pogo]  77.38 41.5 0 top
J21#3  Conn_01x01_Pin  [Pin_D1.2mm_pogo]  45.38 63.5 0 top
J21#4  Conn_01x01_Pin  [Pin_D1.2mm_pogo]  13.38 30.5 0 top
J21#5  Conn_01x01_Pin  [Pin_D1.2mm_pogo]  77.38 74.5 0 top
J21#6  Conn_01x01_Pin  [Pin_D1.2mm_pogo]  13.38 74.5 0 top
J21#7  Conn_01x01_Pin  [Pin_D1.2mm_pogo]  45.38 41.5 0 top
J21#8  Conn_01x01_Pin  [Pin_D1.2mm_pogo]  77.38 8.5 0 top
J21#9  Conn_01x01_Pin  [Pin_D1.2mm_pogo]  77.38 30.5 0 top
J21#10  Conn_01x01_Pin  [Pin_D1.2mm_pogo]  13.38 63.5 0 top
J21#11  Conn_01x01_Pin  [Pin_D1.2mm_pogo]  13.38 8.5 0 top
J21#12  Conn_01x01_Pin  [Pin_D1.2mm_pogo]  45.38 8.5 0 top
J21#13  Conn_01x01_Pin  [Pin_D1.2mm_pogo]  13.38 19.5 0 top
J21#14  Conn_01x01_Pin  [Pin_D1.2mm_pogo]  45.38 19.5 0 top
J21#15  Conn_01x01_Pin  [Pin_D1.2mm_pogo]  77.38 52.5 0 top
J21#16  Conn_01x01_Pin  [Pin_D1.2mm_pogo]  77.38 19.5 0 top
J21#17  Conn_01x01_Pin  [Pin_D1.2mm_pogo]  45.38 52.5 0 top
J21#18  Conn_01x01_Pin  [Pin_D1.2mm_pogo]  13.38 52.5 0 top
J21#19  Conn_01x01_Pin  [Pin_D1.2mm_pogo]  45.38 85.5 0 top
J21#20  Conn_01x01_Pin  [Pin_D1.2mm_pogo]  45.38 30.5 0 top
J21#21  Conn_01x01_Pin  [Pin_D1.2mm_pogo]  77.38 85.5 0 top
J21#22  Conn_01x01_Pin  [Pin_D1.2mm_pogo]  45.38 74.5 0 top
J21#23  Conn_01x01_Pin  [Pin_D1.2mm_pogo]  77.38 63.5 0 top
J21#24  Conn_01x01_Pin  [Pin_D1.2mm_pogo]  13.38 85.5 0 top
J22  Conn_01x01_Pin  [Pin_D1.2mm_pogo]  82.46 85.5 0 top
J22#2  Conn_01x01_Pin  [Pin_D1.2mm_pogo]  18.46 85.5 0 top
J22#3  Conn_01x01_Pin  [Pin_D1.2mm_pogo]  50.46 85.5 0 top
J22#4  Conn_01x01_Pin  [Pin_D1.2mm_pogo]  18.46 30.5 0 top
J22#5  Conn_01x01_Pin  [Pin_D1.2mm_pogo]  18.46 63.5 0 top
J22#6  Conn_01x01_Pin  [Pin_D1.2mm_pogo]  50.46 19.5 0 top
J22#7  Conn_01x01_Pin  [Pin_D1.2mm_pogo]  18.46 52.5 0 top
J22#8  Conn_01x01_Pin  [Pin_D1.2mm_pogo]  82.46 52.5 0 top
J22#9  Conn_01x01_Pin  [Pin_D1.2mm_pogo]  18.46 8.5 0 top
J22#10  Conn_01x01_Pin  [Pin_D1.2mm_pogo]  50.46 30.5 0 top
